# KiCad board ECUGDI.kicad_pcb (continued)
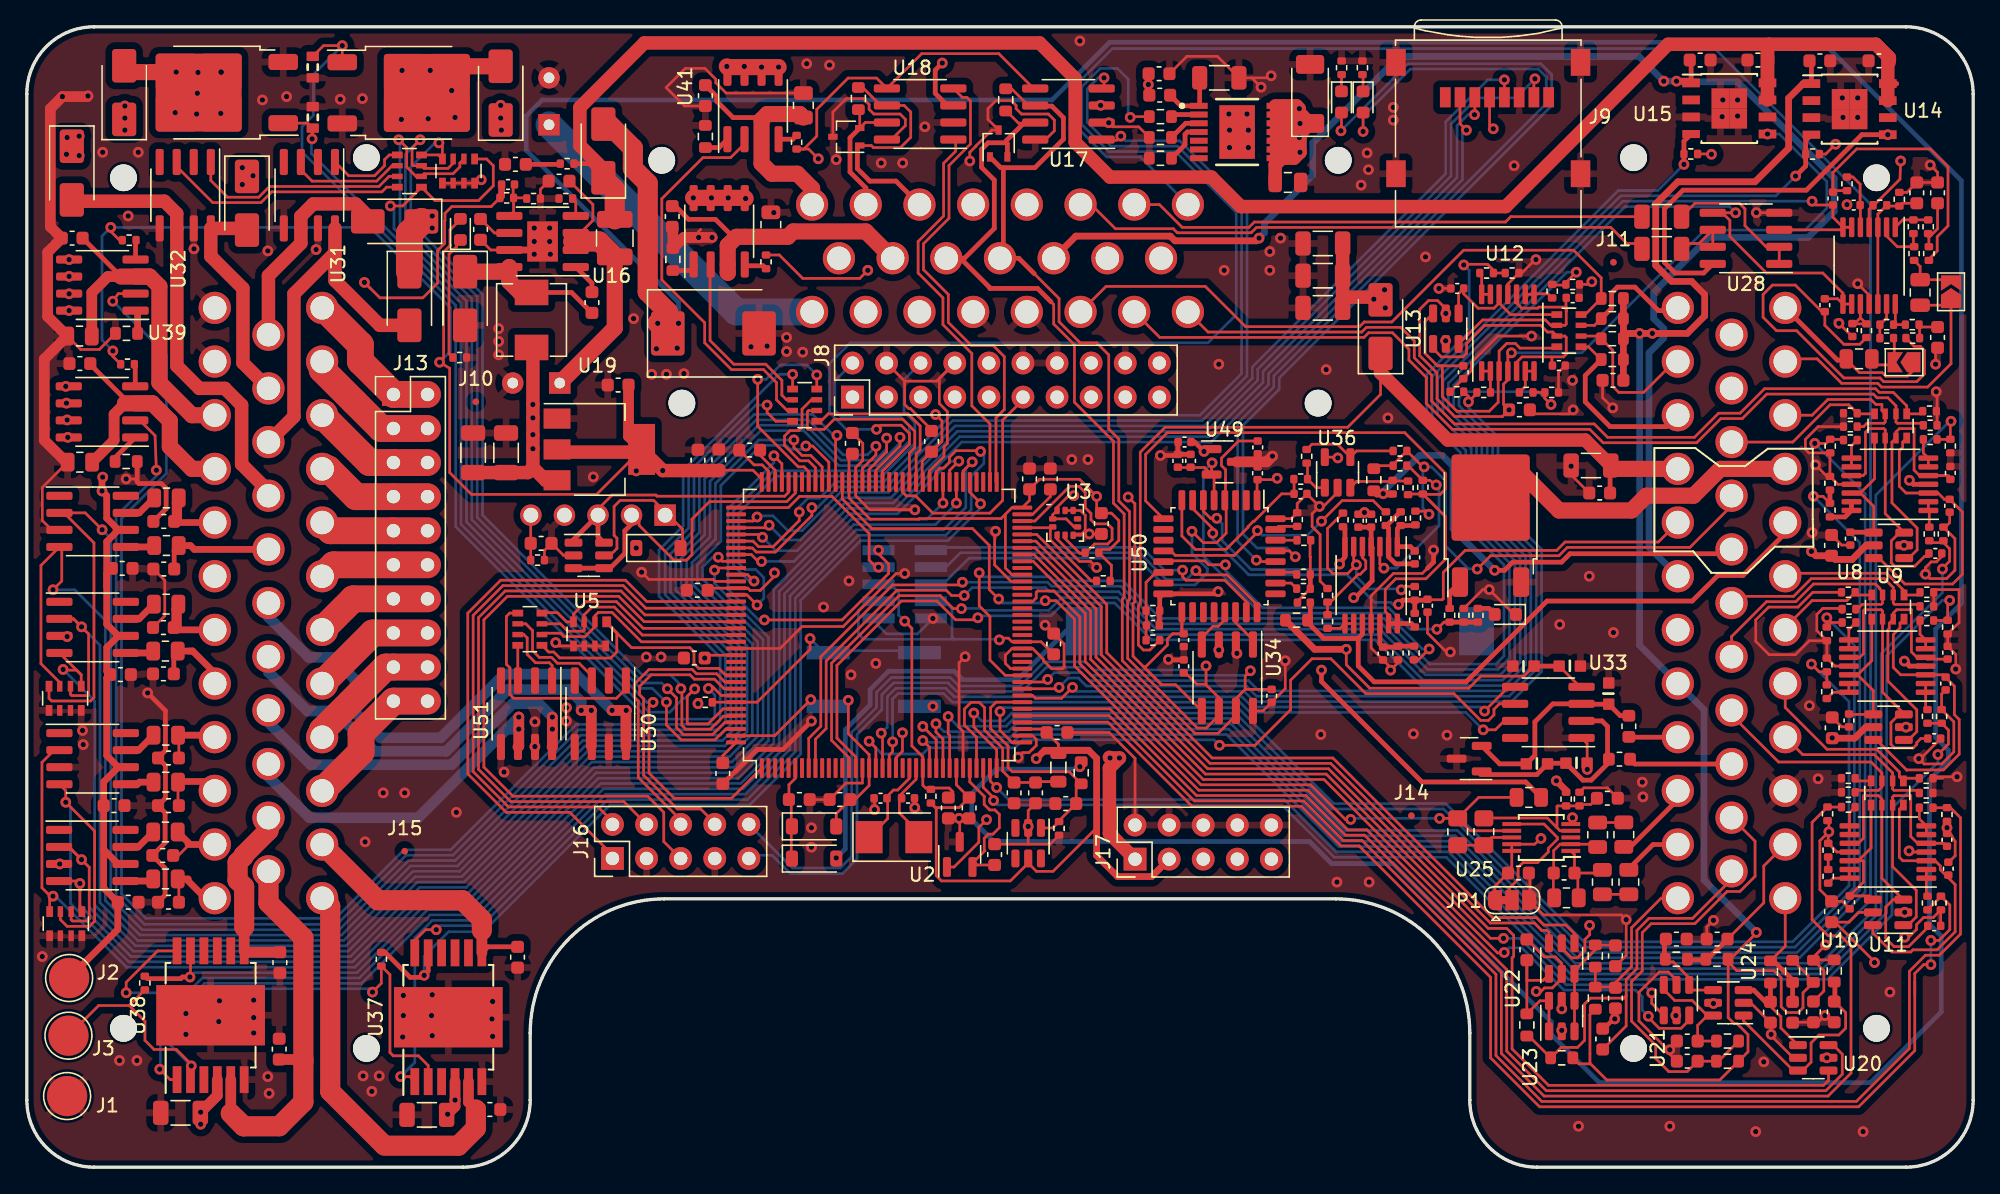
[diagram p0: board, top side]
## Placement (name value [footprint] x y rotation side) (continued)
U30  VNLD5160  [SOIC-8_3.9x4.9mm_P1.27mm]  42.72 33.8 270 top
U31  VNLD5160  [SOIC-8_3.9x4.9mm_P1.27mm]  21.05 72.45 270 top
U32  VNLD5160  [SOIC-8_3.9x4.9mm_P1.27mm]  11.8 72.45 270 top
U33  MAX31855KASA  [SOIC-8_3.9x4.9mm_P1.27mm]  113.35 33.9 180 top
U34  TJA1051T-3  [SOIC-8_3.9x4.9mm_P1.27mm]  89.44 36.49 270 top
U35  MCP6004  [TSSOP-14_4.4x5mm_P0.65mm]  100.15 43.39 270 top
U36  AD8628  [TSOT-23-5]  97.65 51.79 90 top
U37  TLE9201SG  [Infineon_PG-DSO-12-9]  31.4 11.18 90 top
U38  TLE9201SG  [Infineon_PG-DSO-12-9]  13.69 11.33 90 top
U39  BTS4175SGA  [SOIC-8_3.9x4.9mm_P1.27mm]  5.62 65.75 180 top
U40  BTS4175SGA  [SOIC-8_3.9x4.9mm_P1.27mm]  51.58 69.76 90 top
U41  BTS4175SGA  [SOIC-8_3.9x4.9mm_P1.27mm]  54.1 79.1 90 top
U42  BTS4175SGA  [SOIC-8_3.9x4.9mm_P1.27mm]  5.6 56.3 180 top
U43  MIC4427  [SOIC-8_3.9x4.9mm_P1.27mm]  4.9 48.14 0 top
U44  MIC4427  [SOIC-8_3.9x4.9mm_P1.27mm]  4.9 40.24 0 top
U47  MIC4427  [SOIC-8_3.9x4.9mm_P1.27mm]  4.9 30.45 0 top
U48  MIC4427  [SOIC-8_3.9x4.9mm_P1.27mm]  4.88 23.24 0 top
U49  REF3033  [SOT-23]  89.2 52.58 0 top
U50  STM32F042K6Tx  [LQFP-32_7x7mm_P0.8mm]  88.85 45.54 270 top
U51  VNLD5160  [SOIC-8_3.9x4.9mm_P1.27mm]  37.22 33.8 270 top
Y2  8MHz  [Crystal_SMD_5032-2Pin_5.0x3.2mm]  64.6 24.6 0 top

## Library data of the parts
C1 = -: PN: CL10B333KB8NNNC; ki_fp_filters: C_*
C2 = -: PN: CC0603KRX7R9BB104; ki_fp_filters: C_*
C3 = -: LCSC: C1710; PN: CL21B103KBANNNC; ki_fp_filters: C_*
C7-C10 C111 C112 C139-C141 C144 = -: LCSC: C13585; PN: CL31A106KBHNNNE; ki_fp_filters: C_*
C11 C101 C102 C104 C106 C108 C128 = -: LCSC: C15849; PN: CL10A105KB8NNNC; ki_fp_filters: C_*
C12 C14 = -: LCSC: C57112; PN: 0603B103K500NT
C13 C29 = -: LCSC: C14663; PN: CC0603KRX7R9BB104
C15 C16 C137 C138 = -: LCSC: C1567; PN: 0402CG470J500NT; ki_fp_filters: C_*
C17 C21 C24 C25 C27 = -: LCSC: C52923; PN: CL05A105KA5NQNC; ki_fp_filters: C_*
C18 C20 C22 C23 C26 C28 C30 C31 C81-C84 C86-C89 C91-C94 C97-C100 = -: LCSC: C1525; PN: CL05B104KO5NNNC; ki_fp_filters: C_*
C19 = -: LCSC: C1585; PN: CC0402KRX7R9BB333; ki_fp_filters: C_*
C32 = -: LCSC: C15849; PN: CL10A105KB8NNNC
C55 C105 = -: LCSC: N/A; PN: EEH-AZF1H560B; ki_fp_filters: CP_*
C56-C59 C62-C66 C68 C74 C76 C78 = -: LCSC: C14663; LCSC_ext: 0; ki_fp_filters: C_*
C60 C61 C67 C71 C75 = -: LCSC: C19666; LCSC_ext: 0; PN: CGA3E2X7R1H103M080AA; ki_fp_filters: C_*
C69 C70 = -: LCSC: C1562; LCSC_ext: 0; ki_fp_filters: C_*
C72 C73 = -: LCSC: C23630; LCSC_ext: 0; ki_fp_filters: C_*
C77 = -: LCSC: C19666; LCSC_ext: 0; ki_fp_filters: C_*
C79 = -: LCSC: C15849; LCSC_ext: 0; ki_fp_filters: C_*
C80 C85 C90 C95 C96 C109 C151 C152 C163 C164 = -: LCSC: C14663; PN: CC0603KRX7R9BB104; ki_fp_filters: C_*
C103 C113 = -: LCSC: C19666; PN: CL10A475KO8NNNC; ki_fp_filters: C_*
C107 C130 C142 C143 C145-C150 C153-C156 C165-C168 = -: LCSC: C57112; PN: 0603B103K500NT; ki_fp_filters: C_*
C110 C135 C136 = -: LCSC: C13533; PN: CL05C331JB5NNNC; ki_fp_filters: C_*
C114-C125 = -: LCSC: C1588; PN: CL10B102KB8NNNC; ki_fp_filters: C_*
C126 = -: LCSC: C1588; LCSC_ext: 0; ki_fp_filters: C_*
C129 = -: LCSC: C14663; PN: 0603B103K500NT; ki_fp_filters: C_*
C131 C132 = -: LCSC: C53175; PN: CL21B332KBANNNC; ki_fp_filters: C_*
C133 C134 = -: LCSC: C1630; PN: 0603B681K500NT; ki_fp_filters: C_*
D1 D7 D13-D16 D27 D28 = -: LCSC: C8678; PN: SS34A; ki_fp_filters: TO-???* *_Diode_* *SingleDiode* D_*
D2 = -: LCSC: C22452; PN: SS54; ki_fp_filters: TO-???* *_Diode_* *SingleDiode* D_*
D3 = -: LCSC: C2286; PN: KT-0603R; ki_fp_filters: LED* LED_SMD:* LED_THT:*
D4 = -: LCSC: C72043; PN: 19-217/GHC-YR1S2/3T; ki_fp_filters: LED* LED_SMD:* LED_THT:*
D5 = -: LCSC: C72041; PN: 19-217/BHC-ZL1M2RY/3T; ki_fp_filters: LED* LED_SMD:* LED_THT:*
D6 = -: Datasheet: http://www.onsemi.com/pub_link/Collateral/NUP2105L-D.PDF; LCSC: C284104; ki_fp_filters: SOT?23*
D8 = -: Sim.Device: D; Sim.Pins: 1=K 2=A; ki_fp_filters: TO-???* *_Diode_* *SingleDiode* D_*
D17 D18 D24 = -: LCSC: C8598; LCSC_ext: 0; ki_fp_filters: TO-???* *_Diode_* *SingleDiode* D_*
D19 = -: LCSC: C72043; LCSC_ext: 0; ki_fp_filters: LED* LED_SMD:* LED_THT:*
D26 = -: LCSC: C151281; PN: SMCJ30CA; ki_fp_filters: TO-???* *_Diode_* *SingleDiode* D_*
D29 D30 = -: LCSC: C152727; PN: PESD1CAN,215
FB1 = -: LCSC: C1015; LCSC_ext: 0; ki_fp_filters: Inductor_* L_* *Ferrite*
J1-J3 J10 J11 J14 J15 = -: LCSC: N/A; ki_fp_filters: Connector*:*_1x??_*
J4 = -: LCSC: N/A; PN: 776231-1; ki_fp_filters: Connector*:*_1x??_*
J5 = -: LCSC: N/A; PN: 776231-2; ki_fp_filters: Connector*:*_1x??_*
J6 = -: LCSC: N/A; PN: 776228-1; ki_fp_filters: Connector*:*_1x??_*
J7 = -: LCSC: N/A; PN: FTSH-105-01-F-DV-007-K; ki_fp_filters: Connector*:*_2x??_*
J8 = -: ki_fp_filters: Connector*:*_2x??_*
J9 = -: Datasheet: http://katalog.we-online.de/em/datasheet/693072010801.pdf; LCSC: C164170; PN: 47219-2001; ki_fp_filters: microSD*
J12 = -: LCSC: N/A; PN: UB-20PMFP-LC7002; ki_fp_filters: Connector*:*_1x??_*
J13 J16 J17 = -: ki_fp_filters: Connector*:*_1x??_*
JP1 = -: LCSC: N/A; ki_fp_filters: SolderJumper*Bridged12*
JP2 JP3 = -: LCSC: N/A; ki_fp_filters: SolderJumper*Open*
L1 L2 = -: LCSC: C97853; PN: BLM18PG471SN1D; ki_fp_filters: Choke_* *Coil* Inductor_* L_*
L3 = -: LCSC: C36828; PN: SRN3015TA-2R2M; ki_fp_filters: Choke_* *Coil* Inductor_* L_*
L4 = -: LCSC: C408412; PN: IHLP2020CZER100M11; PN LSCS: MWSA0503S-100MT; ki_fp_filters: Choke_* *Coil* Inductor_* L_*
Q1 = -: LCSC: C112639; PN: BTS3028SDR
Q2 Q3 = -: LCSC: C2649436; ki_fp_filters: DirectFET*L8*
R1 R2 = -: PN: RT0603BRD074K7L; ki_fp_filters: R_*
R3 R4 = -: LCSC: C25804; PN: RC0603FR-0710KL
R5 R6 R21 R22 R24 R33 R34 R131 R132 = -: LCSC: C11702; PN: RC0402FR-071KL; ki_fp_filters: R_*
R7 R8 R106 = -: LCSC: C36871; PN: RC0402FR-0768KL; ki_fp_filters: R_*
R9 R10 R18 R19 R26 R27 R31 R32 R61 R62 R64 R73 R74 R76 R85 R86 R88 R97-R101 R103 R104 R149-R151 R154 R157 R160 = -: LCSC: C25744; PN: RC0402FR-0710KL; ki_fp_filters: R_*
R11 = -: LCSC: C25118; PN: RC0402FR-0747RL; ki_fp_filters: R_*
R12 = -: LCSC: C25077; PN: RC0402FR-0710RL; ki_fp_filters: R_*
R13 = -: LCSC: C23221; PN: RC0603FR-0762KL; ki_fp_filters: R_*
R14 = -: LCSC: C23092; PN: RC0603FR-0761R9L; ki_fp_filters: R_*
R15 = -: LCSC: C25768; PN: RC0402FR-0722KL; ki_fp_filters: R_*
R16 = -: LCSC: C25917; PN: RC0402FR-076K8L; ki_fp_filters: R_*
R17 = -: LCSC: C25792; PN: RC0402FR-0747KL; ki_fp_filters: R_*
R20 R23 R30 R139 R140 R145 R146 = -: LCSC: C25741; PN: RC0402FR-07100KL; ki_fp_filters: R_*
R25 = -: LCSC: C25890; PN: RC0402FR-073K3L; ki_fp_filters: R_*
R28 R29 = -: LCSC: C25771; PN: RC0402FR-0727KL; ki_fp_filters: R_*
R35 = -: PN: RC0603JR-071K2L; ki_fp_filters: R_*
R36 = -: LCSC: C2907508; PN: RC1206JR-0747RL; ki_fp_filters: R_*
R41 R42 = -: LCSC: C11702; LCSC_ext: 0; ki_fp_filters: R_*
R43 R44 R51 = -: LCSC: C25744; LCSC_ext: 0; ki_fp_filters: R_*
R45 = -: LCSC: C25104; ki_fp_filters: R_*
R50 = -: LCSC: C23254; LCSC_ext: 0; ki_fp_filters: R_*
R52 = -: LCSC: C25741; LCSC_ext: 0; ki_fp_filters: R_*
R53-R56 R65-R68 R77-R80 R141 R142 = -: LCSC: C25790; PN: RC0402FR-07470KL; ki_fp_filters: R_*
R57-R60 R69-R72 R81-R84 R93-R96 = -: LCSC: C25908; PN: RC0402FR-075K6L; ki_fp_filters: R_*
R63 R75 R87 = -: LCSC: C25744; Поле5: RC0402FR-0710KL; ki_fp_filters: R_*
R89-R92 = -: LCSC: C13167; PN: ERJ3EKF2701V; ki_fp_filters: R_*
R102 = -: LCSC: C25086; PN: RC0402FR-071RL; ki_fp_filters: R_*
R105 R143 R144 = -: LCSC: C25752; PN: RC0402FR-0712KL; ki_fp_filters: R_*
R107 R108 R152 R155 R158 R161 = -: LCSC: C22787; PN: RC0603FR-07120RL; ki_fp_filters: R_*
R109-R120 = -: LCSC: C13167; PN: RC0603FR-072K7L; ki_fp_filters: R_*
R121 R122 R125 R126 R135 R153 R156 R159 R162 = -: LCSC: C17673; PN: RC0805FR-074K7L; ki_fp_filters: R_*
R129 = -: PN: 603-RC0402FR-075KL; ki_fp_filters: R_*
R133 R134 = -: ki_fp_filters: R_*
R137 R138 R147 R148 = -: LCSC: C25779; PN: RC0402FR-0733KL; ki_fp_filters: R_*
R163-R166 R171-R174 = -: LCSC: C17408; PN: RC0805FR-07100RL; ki_fp_filters: R_*
RN1-RN4 RN13 = -: LCSC: C29718; PN: YC164-JR-0710KL; ki_fp_filters: DIP* SOIC* R*Array*Concave* R*Array*Convex*
RN5-RN8 RN14 RN16 = -: LCSC: C20197; PN: 4D03WGJ0102T5E; ki_fp_filters: DIP* SOIC* R*Array*Concave* R*Array*Convex*
SW2 = -: LCSC: C318887; LCSC_ext: 1
U1 = -: Digi-Key_PN: BTS70021EPPXUMA1CT-ND; LCSC: C534824
U2 = -: Datasheet: http://www.ti.com/lit/ds/symlink/ref3033.pdf; LCSC: C130016; LCSC_ext: 1; PN: REF3033; ki_fp_filters: SOT?23*
U3 = -: Datasheet: www.st.com/resource/en/datasheet/lps25hb.pdf; LCSC: C94049; LCSC_ext: 1; ki_fp_filters: ST?HLGA*2.5x2.5mm*P0.6mm*LayoutBorder3x2y*
U4 = -: Datasheet: http://www.st.com/st-web-ui/static/active/en/resource/technical/document/datasheet/DM00273119.pdf; LCSC: C117816; PN: STM32F767ZIT6; ki_fp_filters: LQFP*20x20mm*P0.5mm*
U5 = -: Datasheet: https://www.st.com/resource/en/datasheet/usblc6-2.pdf; LCSC: C7519; LCSC_ext: 1; PN: USBLC6-2; possible_not_ext: 1; ki_fp_filters: SOT?23*
U6 U8 U10 U12 U27 U35 = -: Datasheet: http://ww1.microchip.com/downloads/en/DeviceDoc/21733j.pdf; LCSC: C50282; PN: MCP6004T-I/ST; ki_fp_filters: SOIC*3.9x8.7mm*P1.27mm* DIP*W7.62mm* TSSOP*4.4x5mm*P0.65mm* SSOP*5.3x6.2mm*P0.65mm* MSOP*3x3mm*P0.5mm*
U7 U9 U11 U13 = -: Datasheet: http://www.onsemi.com/pub/Collateral/SRV05-4-D.PDF; LCSC: C85364; PN: SRV05-4-P-T7; ki_fp_filters: SOT?23*
U14 U15 = -: LCSC: N/A; PN: TLS115D0E
U16 = -: LCSC: C187824; LCSC_ext: 1; possible_not_ext: 0
U17 U18 U34 = -: Datasheet: http://www.nxp.com/documents/data_sheet/TJA1051.pdf; LCSC: C38695; PN: TJA1051T/3/1J; ki_fp_filters: SOIC*3.9x4.9mm*P1.27mm*
U19 = -: Datasheet: http://www.advanced-monolithic.com/pdf/ds1117.pdf; LCSC: C6186; ki_fp_filters: SOT?223*TabPin2*
U20-U22 = -: Datasheet: http://www.ti.com/lit/sg/scyt129e/scyt129e.pdf; LCSC: C10429; PN: SN74LVC2G17DBVR; ki_fp_filters: SG-* SOT*
U23 U24 = -: Datasheet: http://www.onsemi.com/pub/Collateral/SRV05-4-D.PDF; ki_fp_filters: SOT?23*
U25 = -: LCSC: N/A
U26 = -: Datasheet: http://www.onsemi.com/pub/Collateral/SRV05-4-D.PDF; LCSC: C85364; LCSC_ext: 0; ki_fp_filters: SOT?23*
U28 = -: Datasheet: http://ww1.microchip.com/downloads/en/DeviceDoc/21733j.pdf; LCSC: C7377; PN: MCP6002T-I/SN; ki_fp_filters: SOIC*3.9x4.9mm*P1.27mm* DIP*W7.62mm* TO*99* OnSemi*Micro8* TSSOP*3x3mm*P0.65mm* TSSOP*4.4x3mm*P0.65mm* MSOP*3x3mm*P0.65mm* SSOP*3.9x4.9mm*P0.635mm* LFCSP*2x2mm*P0.5mm* *SIP* SOIC*5.3x6.2mm*P1.27mm*
U30-U32 U51 = -: LCSC: N/A; PN: VNLD5160TR-E; ki_fp_filters: SO-8 SO8
U33 = -: Datasheet: http://datasheets.maximintegrated.com/en/ds/MAX31855.pdf; LCSC: C52028; PN: MAX31855KASA+T; ki_fp_filters: SOIC*3.9x4.9mm*P1.27mm*
U36 = -: Datasheet: https://www.analog.com/media/en/technical-documentation/data-sheets/AD8603_8607_8609.pdf; LCSC: C29309; ki_fp_filters: TSOT*23*
U37 U38 = -: LCSC: C112633; PN LCSC: IFX9201SGAUMA1
U39-U42 = -: LCSC: C152451; LCSC_ext: 1; PN: BTS4175; possible_not_ext: 1
U43 U44 U47 U48 = -: Datasheet: http://ww1.microchip.com/downloads/en/DeviceDoc/mic4426.pdf; LCSC: C20551; PN: TC4427EOA; ki_fp_filters: DIP*W7.62mm* SOIC*3.9x4.9mm*P1.27mm* MSOP*P0.65mm*
U49 = -: Datasheet: http://www.ti.com/lit/ds/symlink/ref3033.pdf; LCSC: C36658; PN: REF3033AIDBZR; ki_fp_filters: SOT?23*
U50 = -: Datasheet: http://www.st.com/st-web-ui/static/active/en/resource/technical/document/datasheet/DM00105814.pdf; LCSC: C69216; PN: STM32F042K6T6; ki_fp_filters: LQFP*7x7mm*P0.8mm*
Y2 = -: LCSC: C115962; LCSC_ext: 0; ki_fp_filters: Crystal*

## Footprints (pads in the part's own frame, mm; a bottom-side part is the same pattern mirrored in y, then rotated)
ampseal-23
  round 2 hole 2 unplated: (-25.2,-7.3) (-23.7,10.8) (23.7,10.8) (25.2,-7.3)
  round 2.4 hole 1.75: 1(-14,4) 2(-10,4) 3(-6,4) 4(-2,4) 5(2,4) 6(6,4) 7(10,4) 8(14,4) 9(-12,0) 10(-8,0) 11(-4,0) 12(0,0) 13(4,0) 14(8,0) 15(12,0) 16(-14,-4) 17(-10,-4) 18(-6,-4) 19(-2,-4) 20(2,-4) 21(6,-4) 22(10,-4) 23(14,-4)
ampseal-35
  round 2 hole 2 unplated: (-33.2,-7.3) (-31.7,10.8) (31.7,10.8) (33.2,-7.3)
  round 2.4 hole 1.75: 1(-22,4) 2(-18,4) 3(-14,4) 4(-10,4) 5(-6,4) 6(-2,4) 7(2,4) 8(6,4) 9(10,4) 10(14,4) 11(18,4) 12(22,4) 13(-20,0) 14(-16,0) 15(-12,0) 16(-8,0) 17(-4,0) 18(0,0) 19(4,0) 20(8,0) 21(12,0) 22(16,0) 23(20,0) 24(-22,-4) 25(-18,-4) 26(-14,-4) 27(-10,-4) 28(-6,-4) 29(-2,-4) 30(2,-4) 31(6,-4) 32(10,-4) 33(14,-4) 34(18,-4) 35(22,-4)
ampseal-35-2
  round 2 hole 2 unplated: (-33.2,-7.3) (-31.7,10.8) (31.7,10.8) (33.2,-7.3)
  round 2.4 hole 1.75: 1(-22,4) 2(-18,4) 3(-14,4) 4(-10,4) 5(-6,4) 6(-2,4) 7(2,4) 8(6,4) 9(10,4) 10(14,4) 11(18,4) 12(22,4) 13(-20,0) 14(-16,0) 15(-12,0) 16(-8,0) 17(-4,0) 18(0,0) 19(4,0) 20(8,0) 21(12,0) 22(16,0) 23(20,0) 24(-22,-4) 25(-18,-4) 26(-14,-4) 27(-10,-4) 28(-6,-4) 29(-2,-4) 30(2,-4) 31(6,-4) 32(10,-4) 33(14,-4) 34(18,-4) 35(22,-4)
BatteryHolder_Keystone_1060_1x2032
  rect 2.6x3.6 smd: 1(-14.65,0) 2(14.65,0)
BTS7002-1
  rect 1.31x0.45 smd: 1(-1.635,1.41) 2(-1.635,0.76) 3(-1.635,0.11) 4(-1.635,-0.54) 5(-1.635,-1.19) 6(-1.635,-1.84) 7(-1.635,-2.49) 8(4.065,-2.49) 9(4.065,-1.84) 10(4.065,-1.19) 11(4.065,-0.54) 12(4.065,0.11) 13(4.065,0.76) 14(4.065,1.41)
  rect 2.65x4 smd: 15(1.215,-0.54)
C0603
  rrect 0.85x0.85 smd: 1(-0.79,0) 2(0.79,0)
C_0402_1005Metric
  rrect 0.56x0.62 smd: 1(-0.48,0) 2(0.48,0)
C_0603_1608Metric
  rrect 0.9x0.95 smd: 1(-0.775,0) 2(0.775,0)
C_0805_2012Metric
  rrect 1x1.45 smd: 1(-0.95,0) 2(0.95,0)
C_1206_3216Metric
  rrect 1.15x1.8 smd: 1(-1.475,0) 2(1.475,0)
conn_5_2.5mm
  rect 1.6x1.6 hole 1.1: 1(-5,0)
  round 1.6 hole 1.1: 2(-2.5,0) 3(0,0) 4(2.5,0) 5(5,0)
CP_Radial_D8.0mm_P3.50mm
  rect 1.6x1.6 hole 0.8: 1(0,0)
  round 1.6 hole 0.8: 2(3.5,0)
Crystal_SMD_5032-2Pin_5.0x3.2mm
  rect 2x2.4 smd: 1(-1.85,0) 2(1.85,0)
D_SMA
  rrect 2.5x1.8 smd: 1(-2,0) 2(2,0)
D_SMC
  rrect 2.5x3.3 smd: 1(-3.4,0) 2(3.4,0)
D_SOD-123
  rrect 0.9x1.2 smd: 1(-1.65,0) 2(1.65,0)
D_SOD-128
  rrect 1.4x2.1 smd: 1(-2.2,0) 2(2.2,0)
Fiducial_0.5mm_Mask1.5mm
  round 0.5 smd: (0,0)
Infineon_PG-DSO-8-43
  rect 1.31x0.65 smd: 1(-2.845,1.905) 2(-2.845,0.635) 3(-2.845,-0.635) 5(2.845,-1.905) 6(2.845,-0.635) 7(2.845,0.635) 8(2.845,1.905)
  rect 1.31x0.6 smd: 4(-2.845,-1.905)
  rect 1.325x1.5 smd: 9(-0.662,0.75) 9(-0.662,-0.75) 9(0.662,0.75) 9(0.662,-0.75)
Infineon_PG-DSO-12-9
  rect 1.95x1.16 smd: (-1.125,2.92) (-1.125,1.46) (-1.125,0) (-1.125,-1.46) (-1.125,-2.92) (1.125,2.92) (1.125,1.46) (1.125,0) (1.125,-1.46) (1.125,-2.92)
  rect 2x0.65 smd: 1(-4.8,2.5) 2(-4.8,1.5) 3(-4.8,0.5) 4(-4.8,-0.5) 5(-4.8,-1.5) 6(-4.8,-2.5) 7(4.8,-2.5) 8(4.8,-1.5) 9(4.8,-0.5) 10(4.8,0.5) 11(4.8,1.5) 12(4.8,2.5)
  rect 4.5x8.1 smd: 13(0,0)
L_0603_1608Metric
  rrect 0.875x0.95 smd: 1(-0.787,0) 2(0.787,0)
L_0805_2012Metric
  rrect 0.875x1.2 smd: 1(-1.062,0) 2(1.062,0)
L_1210_3225Metric
  rrect 1.25x2.65 smd: 1(-1.4,0) 2(1.4,0)
LED_0603_1608Metric
  rrect 0.875x0.95 smd: 1(-0.787,0) 2(0.787,0)
LQFP-32_7x7mm_P0.8mm
  rrect 1.5x0.5 smd: 1(-4.175,2.8) 2(-4.175,2) 3(-4.175,1.2) 4(-4.175,0.4) 5(-4.175,-0.4) 6(-4.175,-1.2) 7(-4.175,-2) 8(-4.175,-2.8) 17(4.175,-2.8) 18(4.175,-2) 19(4.175,-1.2) 20(4.175,-0.4) 21(4.175,0.4) 22(4.175,1.2) 23(4.175,2) 24(4.175,2.8)
  rrect 0.5x1.5 smd: 9(-2.8,-4.175) 10(-2,-4.175) 11(-1.2,-4.175) 12(-0.4,-4.175) 13(0.4,-4.175) 14(1.2,-4.175) 15(2,-4.175) 16(2.8,-4.175) 25(2.8,4.175) 26(2,4.175) 27(1.2,4.175) 28(0.4,4.175) 29(-0.4,4.175) 30(-1.2,4.175) 31(-2,4.175) 32(-2.8,4.175)
LQFP-144_20x20mm_P0.5mm
  rrect 1.475x0.3 smd: 1(-10.662,8.75) 2(-10.662,8.25) 3(-10.662,7.75) 4(-10.662,7.25) 5(-10.662,6.75) 6(-10.662,6.25) 7(-10.662,5.75) 8(-10.662,5.25) 9(-10.662,4.75) 10(-10.662,4.25) 11(-10.662,3.75) 12(-10.662,3.25) 13(-10.662,2.75) 14(-10.662,2.25) 15(-10.662,1.75) 16(-10.662,1.25) 17(-10.662,0.75) 18(-10.662,0.25) 19(-10.662,-0.25) 20(-10.662,-0.75) 21(-10.662,-1.25) 22(-10.662,-1.75) 23(-10.662,-2.25) 24(-10.662,-2.75) 25(-10.662,-3.25) 26(-10.662,-3.75) 27(-10.662,-4.25) 28(-10.662,-4.75) 29(-10.662,-5.25) 30(-10.662,-5.75) 31(-10.662,-6.25) 32(-10.662,-6.75) 33(-10.662,-7.25) 34(-10.662,-7.75) 35(-10.662,-8.25) 36(-10.662,-8.75) 73(10.662,-8.75) 74(10.662,-8.25) 75(10.662,-7.75) 76(10.662,-7.25) 77(10.662,-6.75) 78(10.662,-6.25) 79(10.662,-5.75) 80(10.662,-5.25) 81(10.662,-4.75) 82(10.662,-4.25) 83(10.662,-3.75) 84(10.662,-3.25) 85(10.662,-2.75) 86(10.662,-2.25) 87(10.662,-1.75) 88(10.662,-1.25) 89(10.662,-0.75) 90(10.662,-0.25) 91(10.662,0.25) 92(10.662,0.75) 93(10.662,1.25) 94(10.662,1.75) 95(10.662,2.25) 96(10.662,2.75) 97(10.662,3.25) 98(10.662,3.75) 99(10.662,4.25) 100(10.662,4.75) 101(10.662,5.25) 102(10.662,5.75) 103(10.662,6.25) 104(10.662,6.75) 105(10.662,7.25) 106(10.662,7.75) 107(10.662,8.25) 108(10.662,8.75)
  rrect 0.3x1.475 smd: 37(-8.75,-10.662) 38(-8.25,-10.662) 39(-7.75,-10.662) 40(-7.25,-10.662) 41(-6.75,-10.662) 42(-6.25,-10.662) 43(-5.75,-10.662) 44(-5.25,-10.662) 45(-4.75,-10.662) 46(-4.25,-10.662) 47(-3.75,-10.662) 48(-3.25,-10.662) 49(-2.75,-10.662) 50(-2.25,-10.662) 51(-1.75,-10.662) 52(-1.25,-10.662) 53(-0.75,-10.662) 54(-0.25,-10.662) 55(0.25,-10.662) 56(0.75,-10.662) 57(1.25,-10.662) 58(1.75,-10.662) 59(2.25,-10.662) 60(2.75,-10.662) 61(3.25,-10.662) 62(3.75,-10.662) 63(4.25,-10.662) 64(4.75,-10.662) 65(5.25,-10.662) 66(5.75,-10.662) 67(6.25,-10.662) 68(6.75,-10.662) 69(7.25,-10.662) 70(7.75,-10.662) 71(8.25,-10.662) 72(8.75,-10.662) 109(8.75,10.662) 110(8.25,10.662) 111(7.75,10.662) 112(7.25,10.662) 113(6.75,10.662) 114(6.25,10.662) 115(5.75,10.662) 116(5.25,10.662) 117(4.75,10.662) 118(4.25,10.662) 119(3.75,10.662) 120(3.25,10.662) 121(2.75,10.662) 122(2.25,10.662) 123(1.75,10.662) 124(1.25,10.662) 125(0.75,10.662) 126(0.25,10.662) 127(-0.25,10.662) 128(-0.75,10.662) 129(-1.25,10.662) 130(-1.75,10.662) 131(-2.25,10.662) 132(-2.75,10.662) 133(-3.25,10.662) 134(-3.75,10.662) 135(-4.25,10.662) 136(-4.75,10.662) 137(-5.25,10.662) 138(-5.75,10.662) 139(-6.25,10.662) 140(-6.75,10.662) 141(-7.25,10.662) 142(-7.75,10.662) 143(-8.25,10.662) 144(-8.75,10.662)
microSD_HC_Wuerth_693072010801
  rect 0.8x1.5 smd: 1(-3.2,1.55) 2(-2.1,1.55) 3(-1,1.55) 4(0.1,1.55) 5(1.2,1.55) 6(2.3,1.55) 7(3.4,1.55) 8(4.5,1.55)
  rect 1.45x2 smd: 9(-6.875,4.15) 9(-6.875,-4.15) 9(6.875,4.15) 9(6.875,-4.15)
MSOP-10_3x3mm_P0.5mm
  rect 1.4x0.3 smd: 1(-2.2,1) 2(-2.2,0.5) 3(-2.2,0) 4(-2.2,-0.5) 5(-2.2,-1) 6(2.2,-1) 7(2.2,-0.5) 8(2.2,0) 9(2.2,0.5) 10(2.2,1)
MWSA0503
  rect 1.9x2.5 smd: 1(2.05,0) 2(-2.05,0)
PinHeader_2x05_P1.27mm_Vertical_SMD
  rect 2.4x0.74 smd: 1(-1.95,2.54) 2(1.95,2.54) 3(-1.95,1.27) 4(1.95,1.27) 5(-1.95,0) 6(1.95,0) 7(-1.95,-1.27) 8(1.95,-1.27) 9(-1.95,-2.54) 10(1.95,-2.54)
PinHeader_2x05_P2.54mm_Vertical
  rect 1.7x1.7 hole 1: 1(0,0)
  oval 1.7x1.7 hole 1: 2(2.54,0) 3(0,-2.54) 4(2.54,-2.54) 5(0,-5.08) 6(2.54,-5.08) 7(0,-7.62) 8(2.54,-7.62) 9(0,-10.16) 10(2.54,-10.16)
PinHeader_2x10_P2.54mm_Vertical
  rect 1.7x1.7 hole 1: 1(0,0)
  oval 1.7x1.7 hole 1: 2(2.54,0) 3(0,-2.54) 4(2.54,-2.54) 5(0,-5.08) 6(2.54,-5.08) 7(0,-7.62) 8(2.54,-7.62) 9(0,-10.16) 10(2.54,-10.16) 11(0,-12.7) 12(2.54,-12.7) 13(0,-15.24) 14(2.54,-15.24) 15(0,-17.78) 16(2.54,-17.78) 17(0,-20.32) 18(2.54,-20.32) 19(0,-22.86) 20(2.54,-22.86)
R0603
  rrect 0.7x0.92 smd: 1(-0.8,0) 2(0.8,0)
R_0402_1005Metric
  rrect 0.54x0.64 smd: 1(-0.51,0) 2(0.51,0)
R_0603_1608Metric
  rrect 0.8x0.95 smd: 1(-0.825,0) 2(0.825,0)
R_0805_2012Metric
  rrect 1.025x1.4 smd: 1(-0.912,0) 2(0.912,0)
R_0805_2012Metric_Pad1.20x1.40mm_HandSolder
  rrect 1.2x1.4 smd: 1(-1,0) 2(1,0)
R_1206_3216Metric
  rrect 1.125x1.75 smd: 1(-1.462,0) 2(1.462,0)
R_Array_Convex_4x0603
  rect 0.8x0.5 smd: 1(-0.9,1.2) 4(-0.9,-1.2) 5(0.9,-1.2) 8(0.9,1.2)
  rect 0.8x0.4 smd: 2(-0.9,0.4) 3(-0.9,-0.4) 6(0.9,-0.4) 7(0.9,0.4)
SOIC-8-1EP_3.9x4.9mm_P1.27mm_EP2.29x3mm
  rrect 0.92x1.21 smd: (-0.57,0.75) (-0.57,-0.75) (0.57,0.75) (0.57,-0.75)
  rrect 1.95x0.6 smd: 1(-2.475,1.905) 2(-2.475,0.635) 3(-2.475,-0.635) 4(-2.475,-1.905) 5(2.475,-1.905) 6(2.475,-0.635) 7(2.475,0.635) 8(2.475,1.905)
  rect 2.29x3 smd: 9(0,0)
SOIC-8_3.9x4.9mm_P1.27mm
  rrect 1.95x0.6 smd: 1(-2.475,1.905) 2(-2.475,0.635) 3(-2.475,-0.635) 4(-2.475,-1.905) 5(2.475,-1.905) 6(2.475,-0.635) 7(2.475,0.635) 8(2.475,1.905)
SolderJumper-2_P1.3mm_Open_TrianglePad1.0x1.5mm
  custom 1.5x1.5 smd: 1(-0.725,0)
  custom 1.15x1.5 smd: 2(0.725,0)
SolderJumper-3_P1.3mm_Bridged12_RoundedPad1.0x1.5mm
  custom 1.05x1.5 smd: 1(-1.3,0) 3(1.3,0)
  rect 1x1.5 smd: 2(0,0)
SOT-23
  rrect 1.475x0.6 smd: 1(-0.938,0.95) 2(-0.938,-0.95) 3(0.938,0)
SOT-23-6
  rrect 1.325x0.6 smd: 1(-1.137,0.95) 2(-1.137,0) 3(-1.137,-0.95) 4(1.137,-0.95) 5(1.137,0) 6(1.137,0.95)
SOT-223-3_TabPin2
  rect 2x1.5 smd: 1(-3.15,2.3) 2(-3.15,0) 3(-3.15,-2.3)
  rect 2x3.8 smd: 2(3.15,0)
SOT-323_SC-70
  rect 0.7x0.45 smd: 1(-1,0.65) 2(-1,-0.65) 3(1,0)
ST_HLGA-10_2.5x2.5mm_P0.6mm_LayoutBorder3x2y
  rrect 0.55x0.4 smd: 1(-0.925,0.3) 2(-0.925,-0.3) 6(0.925,-0.3) 7(0.925,0.3)
  rrect 0.4x0.55 smd: 3(-0.6,-0.925) 4(0,-0.925) 5(0.6,-0.925) 8(0.6,0.925) 9(0,0.925) 10(-0.6,0.925)
SW_SPST_EVQQ2
  rect 3.2x1 smd: 1(-3.4,2) 1(3.4,2) 2(-3.4,-2) 2(3.4,-2)
TestPoint_Pad_D3.0mm
  round 3 smd: 1(0,0)
TO-252-2
  rrect 2.2x1.2 smd: 1(-5.04,2.28) 3(-5.04,-2.28)
  rrect 3.05x2.75 smd: 2(-0.415,1.525) 2(-0.415,-1.525) 2(2.935,1.525) 2(2.935,-1.525)
  rrect 6.4x5.8 smd: 2(1.26,0)
TSOT-23-5
  rrect 1.325x0.6 smd: 1(-1.137,0.95) 2(-1.137,0) 3(-1.137,-0.95) 4(1.137,-0.95) 5(1.137,0.95)
TSSOP-14_4.4x5mm_P0.65mm
  rrect 1.475x0.4 smd: 1(-2.862,1.95) 2(-2.862,1.3) 3(-2.862,0.65) 4(-2.862,0) 5(-2.862,-0.65) 6(-2.862,-1.3) 7(-2.862,-1.95) 8(2.862,-1.95) 9(2.862,-1.3) 10(2.862,-0.65) 11(2.862,0) 12(2.862,0.65) 13(2.862,1.3) 14(2.862,1.95)

## Nets
+3.3V: C18.1 C20.1 C29.2 C30.1 C31.1 C32.2 C56.2 C57.2 C58.1 C59.2 C60.2 C61.2 C62.2 C63.2 C64.2 C66.2 C67.2 C68.2 C71.2 C113.1 D18.2 D19.2 FB1.1 J3.1 J7.7 J7.8 J9.4 J17.3 R13.1 R41.1 R42.1 R43.2 R101.2 R104.2 R135.1 R137.2 R149.2 R150.2 R151.2 R154.2 R157.2 R160.2 SW2.2 U3.1 U3.6 U3.10 U4.17 U4.30 U4.39 U4.52 U4.62 U4.72 U4.84 U4.95 U4.108 U4.121 U4.131 U4.143 U4.144 U17.5 U18.5 U19.2 U26.5 U27.4 U33.4 U34.5 U35.4 U36.5 U37.2 U38.2 U50.1 U50.17
+5V: C25.1 C80.1 C85.1 C90.1 C95.1 C110.1 C111.1 C112.1 C129.1 C151.2 C152.2 C163.2 C164.2 D24.1 J2.1 J17.1 JP1.1 L4.2 R106.2 R131.1 U2.1 U6.4 U7.5 U8.4 U9.5 U10.4 U11.5 U12.4 U13.5 U14.5 U15.5 U17.3 U18.3 U19.3 U20.5 U21.5 U22.5 U23.5 U24.5 U25.9 U25.10 U28.8 U34.3 U43.6 U44.6 U47.6 U48.6 U49.1
/5V_SENSOR_1: C96.2 C102.1 J5.28 R89.1 R90.1 R91.1 R92.1 R109.1 R110.1 R111.1 R112.1 R113.1 R114.1 U14.1
/5V_SENSOR_2: C108.1 J5.30 J6.13 U15.1
/12V_IGN: D26.1 D27.2 J6.9 R50.1
/12V_MR: C7.1 C8.2 C9.1 C55.1 C141.2 C144.2 D1.1 D2.2 D7.1 D13.1 D14.1 D15.1 D16.1 J4.6 J5.29 J6.1 J6.2 J6.3 J17.5 J17.7 J17.9 U37.4 U38.4 U39.5 U39.6 U39.7 U39.8 U40.5 U40.6 U40.7 U40.8 U41.5 U41.6 U41.7 U41.8 U42.5 U42.6 U42.7 U42.8
/12V_start: C1.1 C2.1 J6.14 J6.15 U1.15
/AV1: J6.8 R65.1 RN2.1
/AV2: J6.7 R66.1 RN2.2
/AV3: J5.10 R67.1 RN2.3
/AV4: J5.21 R68.1 RN2.4
/AV5: J5.7 R53.1 RN1.1
/AV6: J5.18 R54.1 RN1.2
/AV7: J5.17 R55.1 RN1.3
/AV8: J5.6 R56.1 RN1.4
/AV9: J5.5 R77.1 RN3.1
/AV10: J5.4 R78.1 RN3.2
/AV11: J5.16 R79.1 RN3.3
/mcu/5V_SENSOR_1_PG: R101.1 U4.9 U14.4
/mcu/5V_SENSOR_2_PG: R104.1 U4.8 U15.4
/mcu/12V_DIVIDED: C79.1 R50.2 R51.1 U4.43 U26.1
/mcu/AV1: R69.1 R73.2 U4.26
/mcu/AV2: R70.1 R74.2 U4.27
/mcu/AV3: R71.1 R75.2 U4.28
/mcu/AV4: R72.1 R76.2 U4.29
/mcu/AV5: R57.1 R61.2 U4.34
/mcu/AV6: R58.1 R62.2 U4.35
/mcu/AV7: R59.1 R63.2 U4.36
/mcu/AV8: R60.1 R64.2 U4.37
/mcu/AV9: R81.1 R85.2 U4.40
/mcu/AV10: R82.1 R86.2 U4.41
/mcu/AV11: R83.1 R87.2 U4.42
/mcu/VDDA: C76.1 C77.1 FB1.2 U4.33
/psu/12v_PROT: C101.1 C104.1 D27.1 L3.1 R102.1 U14.7 U14.8 U15.7 U15.8
GND: BT1.2 C2.2 C3.1 C7.2 C8.1 C9.2 C10.2 C11.2 C12.1 C14.1 C15.1 C16.2 C17.2 C18.2 C20.2 C21.2 C23.2 C24.2 C25.2 C26.2 C27.2 C28.2 C29.1 C30.2 C31.2 C32.1 C55.2 C56.1 C57.1 C58.2 C59.1 C60.1 C61.1 C62.1 C63.1 C64.1 C65.2 C66.1 C67.1 C68.1 C69.2 C70.2 C71.1 C72.2 C73.2 C74.1 C75.2 C76.2 C77.2 C78.2 C79.2 C80.2 C81.2 C82.2 C83.2 C84.2 C85.2 C86.2 C87.2 C88.2 C89.2 C90.2 C91.2 C92.2 C93.2 C94.2 C95.2 C96.1 C97.2 C98.2 C99.2 C100.2 C101.2 C102.2 C103.2 C104.2 C105.2 C106.2 C107.2 C108.2 C111.2 C112.2 C113.2 C114.2 C115.2 C116.2 C117.2 C118.2 C119.2 C120.2 C121.2 C122.2 C123.2 C124.2 C125.2 C128.2 C129.2 C130.1 C133.1 C134.1 C137.1 C138.1 C141.1 C142.1 C143.2 C144.1 C145.1 C146.2 C147.2 C148.2 C149.2 C150.2 C151.1 C152.1 C153.2 C154.2 C155.2 C156.2 C163.1 C164.1 C165.2 C166.2 C167.2 C168.2 D3.1 D6.3 D8.2 D26.2 D28.2 D29.3 D30.3 J1.1 J4.1 J4.2 J5.3 J6.4 J6.5 J7.9 J7.10 J8.4 J8.8 J8.10 J8.12 J8.14 J8.16 J8.18 J9.6 J9.9 J12.4 J16.3 J16.7 J17.2 J17.4 J17.6 J17.8 J17.10 JP1.3 Q1.3 Q2.3 Q3.3 R2.2 R3.1 R4.1 R6.2 R22.1 R28.2 R31.2 R32.1 R33.1 R34.1 R35.1 R36.1 R44.2 R45.1 R51.2 R52.2 R53.2 R54.2 R55.2 R56.2 R61.1 R62.1 R63.1 R64.1 R65.2 R66.2 R67.2 R68.2 R73.1 R74.1 R75.1 R76.1 R77.2 R78.2 R79.2 R80.2 R85.1 R86.1 R87.1 R88.1 R97.1 R98.1 R99.1 R100.1 R103.2 R105.2 R132.1 R138.2 R152.2 R153.2 R155.2 R156.2 R158.2 R159.2 R161.2 R162.2 RN5.1 RN5.2 RN5.3 RN5.4 RN7.1 RN7.2 RN7.3 RN7.4 RN14.1 RN14.2 RN14.3 RN14.4 RN16.1 RN16.2 RN16.3 RN16.4 U2.3 U3.3 U3.5 U3.8 U3.9 U4.16 U4.31 U4.38 U4.48 U4.51 U4.61 U4.83 U4.94 U4.107 U4.120 U4.130 U5.2 U6.11 U7.2 U8.11 U9.2 U10.11 U11.2 U12.11 U13.2 U14.3 U14.9 U15.3 U15.9 U16.7 U16.9 U17.2 U17.8 U18.2 U18.8 U19.1 U20.2 U21.2 U22.2 U23.2 U24.2 U25.5 U26.2 U27.11 U28.4 U30.5 U30.7 U31.5 U31.7 U32.5 U32.7 U33.1 U34.2 U34.8 U35.11 U36.2 U37.6 U37.13 U38.6 U38.13 U43.3 U44.3 U47.3 U48.3 U49.3 U50.16 U50.32 U51.5 U51.7
VDDA: C27.1 C28.1 R5.1 U49.2 U50.5
/AT1: J5.33 R89.2 RN4.1
/AT2: J5.34 R90.2 RN4.2
/AT3: J5.35 R91.2 RN4.3
/AT4: J6.6 R92.2 RN4.4
/AUX_SPI_CS: U4.18 U33.6
/AUX_SPI_CS1: J8.11 U4.87
/AUX_SPI_MISO: U4.20 U33.7
/AUX_SPI_MOSI: U4.21
/AUX_SPI_SCK: U4.19 U33.5
/CAN2+: D30.2 J6.17 R108.1 U18.7
/CAN2-: D30.1 J6.18 R108.2 U18.6
/CAN+: C15.2 D29.2 J6.11 J16.9 R107.1 U17.7 U34.7
/CAN-: C16.1 D29.1 J6.12 J16.10 R107.2 U17.6 U34.6
/DIGITAL_1: C114.1 J5.1 R109.2 R115.2
/DIGITAL_2: C115.1 J5.2 R110.2 R116.2
/DIGITAL_3: C116.1 J5.14 R111.2 R117.2
/DIGITAL_4: C117.1 J5.13 R112.2 R118.2
/DIGITAL_5: C118.1 J6.23 R113.2 R119.2
/DIGITAL_6: C119.1 J5.24 R114.2 R120.2
/DRVEN: J8.1
/EGT+: J5.15 L2.1
/EGT-: J5.27 L1.1
/ETB1+: C145.2 J4.23 U38.5
/ETB1-: C146.1 J4.22 U38.7
/ETB2+: C142.2 J4.35 U37.5
/ETB2-: C143.1 J4.34 U37.7
/etb-1/DIR: U4.79 U38.1
/etb-1/DIS: R150.1 U4.80 U38.11
/etb-1/PWM: U4.81 U38.12
/etb-2/DIR: U4.78 U37.1
/etb-2/DIS: R149.1 U4.77 U37.11
/etb-2/PWM: U4.82 U37.12
/FLAG_0: J8.5
/FLAG_1: J8.7
/FLAG_2: J8.9
/highside_quad/IN1: RN13.4 U4.101
/highside_quad/IN2: RN13.3 U4.100
/highside_quad/IN3: RN13.2 U4.86
/highside_quad/IN4: RN13.1 U4.85
/HS1: C147.1 J4.3 R153.1 U39.3
/HS2: C148.1 J6.10 R156.1 U40.3
/HS3: C149.1 J6.16 R159.1 U41.3
/HS4: C150.1 J4.4 R162.1 U42.3
/IGN1: C165.1 J4.9 R171.1
/ign1/IN1: RN16.8 U4.118 U47.2
/ign1/IN2: RN16.7 U4.117 U47.4
/ign1/IN3: RN16.6 U4.99 U48.2
/ign1/IN4: RN16.5 U4.98 U48.4
/IGN2: C166.1 J4.10 R172.1
/ign2/IN1: RN14.8 U4.97 U43.2
/ign2/IN2: RN14.7 U4.93 U43.4
/ign2/IN3: RN14.6 U4.92 U44.2
/ign2/IN4: RN14.5 U4.91 U44.4
/IGN3: C167.1 J4.11 R173.1
/IGN4: C168.1 J4.12 R174.1
/IGN5: C153.1 J4.5 R163.1
/IGN6: C154.1 J4.17 R164.1
/IGN7: C155.1 J4.7 R165.1
/IGN8: C156.1 J4.8 R166.1
/ingect-1: J16.1 U4.123
/ingect-2: J16.2 U4.124
/ingect-3: J16.4 U4.125
/ingect-4: J16.5 U4.126
/ingect-5: J4.18 U30.8
/ingect-6: J4.19 U30.6
/ingect-7: J4.20 U51.8
/ingect-8: J4.21 U51.6
/knock/FILTERED_1: C135.2 U4.14 U27.6 U27.7 U28.3
/knock/FILTERED_2: C136.2 U4.15 U27.8 U27.9 U28.5
/knock/V_mid: C130.2 R137.1 R138.1 U27.3 U27.12
/KNOCK_1: C131.2 J5.11 JP2.1
/KNOCK_2: C132.2 J5.12 JP3.1
/L_D: C139.1 J6.21
/lowside_quad4/IN1: RN7.8 RN8.4 U4.140
/lowside_quad4/IN2: RN7.7 RN8.3 U4.141
/lowside_quad4/IN3: RN7.6 RN8.2 U4.142
/lowside_quad4/IN4: RN7.5 RN8.1 U4.1
/lowside_quad5/IN1: RN5.8 RN6.4 U4.127
/lowside_quad5/IN2: RN5.7 RN6.3 U4.128
/lowside_quad5/IN3: RN5.6 RN6.2 U4.129
/lowside_quad5/IN4: RN5.5 RN6.1 U4.134
/LS13: D15.2 J4.15 U31.8
/LS14: D13.2 J4.13 U31.6
/LS15: D16.2 J4.14 U32.8
/LS16: D14.2 J4.16 U32.6
/LSU_Blak: C22.1 R13.2 U35.10
/LSU_Blaсk: J5.8
/LSU_Green: J5.20 R10.1 R11.1 R14.1 R18.2
/LSU_Grey: C10.1 C11.1 D2.1 J5.32 R30.1
/LSU_Red: J5.19 R14.2 R19.2
/LSU_White: J5.9 Q1.2
/LSU_Yellow: C21.1 J5.31 R12.1 R26.1 U50.7
/mcu/AT1: R93.1 R97.2 U4.44
/mcu/AT2: R94.1 R98.2 U4.45
/mcu/AT3: R95.1 R99.2 U4.46
/mcu/AT4: R96.1 R100.2 U4.47
/mcu/BARO_SCL: R42.2 U3.2 U4.69
/mcu/BARO_SDA: R41.2 U3.4 U4.70
/mcu/BOOT0: R44.1 SW2.1 U4.138
/mcu/CAN2_RX: U4.73 U18.4
/mcu/CAN2_TX: U4.74 U18.1
/mcu/CAN_RX: U4.114 U17.4
/mcu/CAN_TX: U4.115 U17.1
/mcu/DIGITAL1: U4.96 U20.6
/mcu/DIGITAL2: U4.64 U21.6
/mcu/DIGITAL3: U4.65 U21.4
/mcu/DIGITAL4: U4.67 U22.6
/mcu/DIGITAL5: U4.66 U20.4
/mcu/DIGITAL6: U4.68 U22.4
/mcu/IGN10: U4.89
/mcu/IGN11: U4.88
/mcu/LED1: U4.2
/mcu/LED2: U4.3
/mcu/LED3: U4.4
/mcu/LED4: U4.5
/mcu/nRESET: C74.2 J7.6 R43.1 U4.25
/mcu/SD_CS: J9.2 U4.116
/mcu/SD_MISO: J9.7 U4.112
/mcu/SD_MOSI: J9.3 U4.113
/mcu/SD_SCK: J9.5 U4.111
/mcu/SWCLK: J7.4 U4.109
/mcu/SWDIO: J7.2 U4.105
/mcu/VR_1: R134.1 R135.2 U4.58 U25.7
/mcu/VR_2: U4.59
/OA_1: J8.19
/OA_2: J8.20
/OUT_INJ1_N: J4.24 J13.1 J13.2
/OUT_INJ1_P: J4.25 J13.3 J13.4
/OUT_INJ2_N: J4.26 J13.5 J13.6
/OUT_INJ2_P: J4.27 J13.7 J13.8
/OUT_INJ3_N: J4.28 J13.9 J13.10
/OUT_INJ3_P: J4.29 J13.11 J13.12
/OUT_INJ4_N: J4.30 J13.13 J13.14
/OUT_INJ4_P: J4.31 J13.15 J13.16
/OUT_LS1: D1.2 J6.20 Q2.2
/OUT_LS2: D7.2 J6.19 Q3.2
/out_pump1_H: J16.6 U4.135
/out_pump2_H: J16.8 U4.136
/out_pump_L1: Q2.1 R3.2 U4.137
/out_pump_L2: Q3.1 R4.2 U4.139
/OUT_PUMP_N: J4.32 J13.17 J13.18
/OUT_PUMP_P: J4.33 J13.19 J13.20
/OUT_Start: R1.1 U4.90
